# KiCad board EEZ DIB DCP405plus.kicad_pcb (continued)
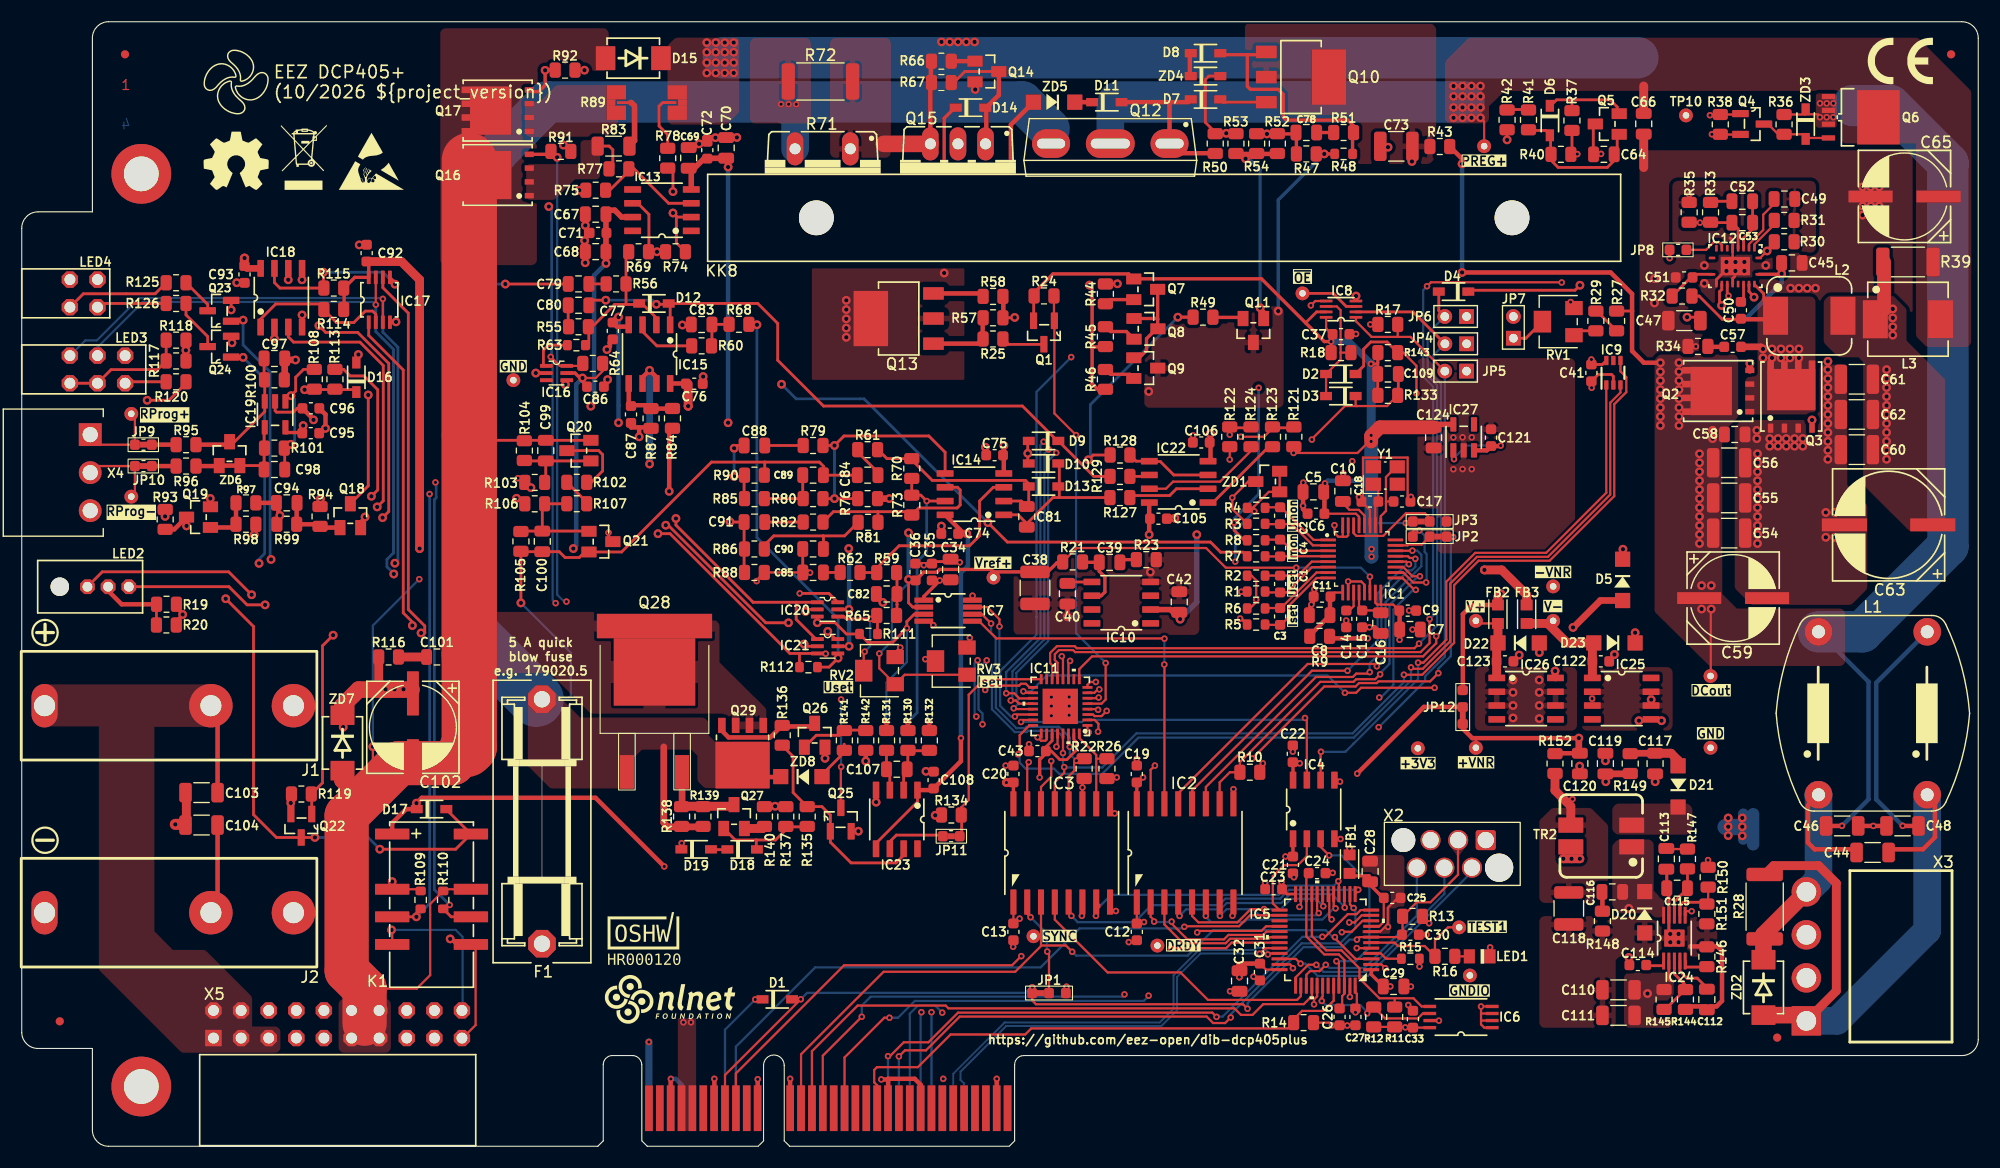
[diagram p0: board, top side]
## Routing (per net, layer and track width the routed paths; a pad name or vN(x,y) marks a point on that pad's centre or on a via; arc(x,y) is an arc through that point) (continued)
ISO_MISO1: length 87.7
  Top w0.203: R22.2 97.58,33.69 v2(97.58,33.02) IC3.11 ; IC9.3 147.08,69.37 146.14,68.43 146.14,59.98 140.41,54.25 133.88,54.25 131.42,51.79 131.42,46.47 128.89,43.95 127.93,43.95 v2(127.81,44.07) ; IC11.24 92.71,38.74 91.81,37.83 91.81,36.22 v2(91.67,36.08)
  Bottom w0.203: v2(97.58,33.02) 97.58,34.27 ; v2(127.81,44.07) 127.81,42.87 122.55,37.61 102.74,37.61 99.41,34.28 95.45,34.28 94.97,34.76 92.35,34.76 91.81,35.3 91.81,35.94 v2(91.67,36.08)
ISO_MOSI1: length 28
  Top w0.203: IC11.30 96.29,36.89 v2(96.42,36.77) ; v2(89.95,47.84) 89.95,48.5 88.82,49.63 IC7.7 ; R22.1 97.21,35.67 v2(97.03,35.49) 96.82,35.28 96.82,34.55 96.31,34.04 IC3.12
  Bottom w0.203: v2(89.95,47.84) 89.95,44.22 89.61,43.88 89.61,40.38 91.51,38.48 92.3,38.48 92.43,38.61 95.43,38.61 96.42,37.62 v2(96.42,36.77) 96.42,36.1 v2(97.03,35.49)
ISO_SCLK1: length 104.1
  Top w0.203: v2(89.18,48.11) 88.32,48.97 IC7.6 ; IC9.4 147.08,71.32 147.62,70.78 147.62,69.41 146.51,68.3 146.51,59.84 140.56,53.89 134.03,53.89 131.78,51.65 131.78,46.33 128.85,43.4 v2(127.16,43.4) ; v2(95.91,34.9) 95.91,34.38 95.04,33.51 IC3.13 ; IC11.29 95.79,36.19 v2(95.79,36.19)
  In2.Cu w0.203: 96,34.9 v2(95.91,34.9)
  Bottom w0.203: v2(127.16,43.4) 127.16,42.72 122.45,38.01 102.56,38.01 99.41,34.86 95.93,34.86 95.91,34.84 v2(95.91,34.9) 95.79,35.01 v2(95.79,36.19) 95.79,37.67 95.22,38.24 92.56,38.24 92.45,38.12 91.36,38.12 89.26,40.23 89.26,44.03 89.59,44.36 89.59,46.84 89.18,47.25 v2(89.18,48.11)
ISO_SYNC: length 82.6
  Top w0.203: 126.6,74.49 124.19,74.49 122.75,75.93 IC8.1 ; 126.6,74.49 126.59,74.5 R17.2 ; 126.6,74.49 127.77,74.49 JP5.2 ; IC3.14 93.77,33.07 94.71,34.01 v2(94.71,35.45)
  In2.Cu w0.203: v2(124.84,38.57) 123.29,37.02 116.5,37.02 115.87,36.39 97,36.39 96.16,35.56 94.82,35.56 v2(94.71,35.45)
  Bottom w0.203: JP5.2 130.92,45.06 129.11,43.25 129.11,42.84 v2(124.84,38.57)
LOOP_CTRL: length 28.6
  Top w0.254: R128.2 98.57,63.62 v1(98.13,63.18) ; 92.56,64.74 92.56,63.78 v1(92.56,63.77) 92.56,63.77 92.56,62.85 ; 107.72,76.31 107.71,76.86
  Top w0.305: 107.72,76.31 v1(106.36,76.31)
  In2.Cu w0.254: v1(92.56,63.77) 93.15,63.18 v1(98.13,63.18)
  Bottom w0.254: v1(98.13,63.18) 98.31,63.36 98.31,68.26 v1(106.36,76.31) ; 92.71,63.62 v1(92.56,63.77)
OE_ACTIVE: length 63.9
  Top w0.203: v2(91.37,39.56) 91.55,39.74 IC11.22 ; IC8.5 119.01,77.8 v2(118.6,77.39)
  In2.Cu w0.203: v2(96.55,72.63) 113.84,72.63 v2(118.6,77.39)
  Bottom w0.203: v2(96.55,72.63) 93.36,69.44 93.36,47.09 90.01,43.74 90.01,40.54 90.99,39.56 v2(91.37,39.56)
OE_TRIG: length 72.6
  Top w0.203: IC11.9 97.29,43.91 98.47,45.09 128.92,45.09 130.13,46.3 v2(130.13,46.94)
  Top w0.254: JP4.2 127.99,76.8 IC8.2
  Bottom w0.203: JP4.2 129.87,72.8 129.87,70.89 130.56,70.2 130.56,47.37 v2(130.13,46.94)
OVP_EN: length 21.2
  Top w0.203: 86.71,30.49 R134.2 86.44,31.19 87.12,31.87 87.12,41.55 88.55,42.99 IC11.16
  Top w0.254: 86.73,30.74 86.47,30.49 86.47,28.53
PE: length 232.9
  Top w0.406: C48.2 C46.1
  Top w0.813: 15.14,32.55 15.14,29.56
  Top w1.016: 15.08,29.63 v1(14.13,29.63)
  In2.Cu w0.61: v2(170.35,29.48) 169.08,28.21 165.78,28.21 147.17,9.6 v2(57.7,9.6) 51,9.6 47.7,6.3 17.15,6.3 13.32,10.13 13.32,51.48 X4.3 ; 13.37,29.63 v1(14.13,29.63)
  Bottom w0.66: X1.A1 v2(57.7,9.6)
POST_OUT+: length 310.8
  Top w0.2: v1(34.08,24.36) 34.08,24.36 K1.3 36.54,23.66 R109.1 ; R53.2 110.85,93.2 v1(110.82,93.23)
  Top w0.254: C84.1 73.76,61.77 ; 73.76,61.77 C89.2 ; 73.76,61.77 73.76,62.59 73.38,62.97 68.36,62.97 ; 109.61,93.55 109.93,93.23 v1(110.82,93.23) ; 68.36,62.97 63.46,62.97 55.19,54.7 51.8,54.7 51.29,54.19 49.98,54.19 49.45,54.72 C100.1 45.96,54.72 R105.2 v1(45.92,50.01) ; 68.36,62.97 68.36,62.97 68.36,61.77 68.36,61.77 ; 109.61,93.52 108.89,94.24 108.89,98.18 109.21,98.5 110.36,98.5 ; 136.65,93.52 v1(136.65,92.63) ; v1(44.49,79.36) 50.26,79.36 C79.1 ; v1(87.72,97.26) 87.7,97.28 Q14.E
  Top w0.406: 69.23,33.98 66.93,33.98 65.88,35.04
  Top w0.61: 62.68,29.4 59.45,29.4 59.07,29.78 59.07,36.76
  Top w0.813: R116.1 32.84,42.36 32.51,42.03
  Top w1.524: ZD7.C 29.51,40.55 30.99,42.03 35.86,42.03
  In2.Cu w0.2: 29.57,38.33 29.57,28.87 v1(34.08,24.36)
  In2.Cu w0.254: JP7.2 137.23,77.95 133.32,81.86 133.32,88.57 136.65,91.9 v1(136.65,92.63) 135.57,93.71 130.09,93.71 129.39,94.41 110.82,94.41 ; Q12.3 96.82,94.41 110.82,94.41 ; 110.82,94.41 110.82,93.55
  In2.Cu w1.524: 33.5,42.03 46.97,42.03 F1.1
  Bottom w0.203: F1.1 50.23,41.14 50.52,41.43 50.52,45.42 v1(45.92,50.01)
  Bottom w0.254: v1(44.49,79.36) 41.01,79.36 41.17,79.37 ; 87.91,96.12 87.72,96.31 v1(87.72,97.26)
  Bottom w2.54: R71.2 71.15,96.12
  Bottom w3.81: 70.77,96.12 v2(70.56,95.91) 70.34,96.12 48.31,96.12 41.17,88.81 ; 71.15,96.12 92.04,96.12 94.51,93.64
  Bottom w5.08: 41.17,47.47 41.17,88.81 ; 47.32,41.14 41.17,47.29
  vias: v1(29.57,38.58) v1(33.47,42.06) v1(34.3,42.06) v1(35.12,42.06) v2(69.86,95.91) v2(71.26,95.91)
POST_OUT-: length 232.3
  Top w0.2: C85.1 R88.2
  Top w0.203: v2(67.61,52.02) 67.61,52.11 R88.2 ; v2(113.4,58.44) 113.17,58.67 113.4,58.9 ; 34.71,35.26 32.7,35.26 32.31,35.66 v1(32.31,36.78) ; R4.2 113.26,58.76 113.4,58.9 ; 113.4,58.9 114.73,60.23 ZD1.1 ZD1.2 ; K1.10 38.93,23.66 R110.2 37.58,22.3 37.58,15.75 36.34,14.51 31.54,14.51
  Top w0.254: Q20.E C99.2 41.47,64.98 41.17,65.45 ; v2(72.53,52.79) 71.85,53.46 C90.2 ; 40.18,35.78 40.93,36.53
  Top w1.524: ZD7.A 29.51,33.69 31.33,31.88
  Top w4.064: 40.93,36.53 39.66,35.26 34.71,35.26 29.89,30.44 29.89,16.17 31.54,14.51 31.54,11.28
  Top w5.08: 40.93,36.53 41.17,36.77 41.17,90.74
  In2.Cu w0.203: v2(67.61,52.02) 67.43,52.2 v2(36.57,52.2)
  In2.Cu w0.254: v2(72.53,52.79) 73.92,51.39 86.52,51.39 88.94,53.81 v2(111.65,53.81)
  Bottom w0.203: v1(32.31,36.78) 32.31,47.93 v2(36.57,52.2)
  Bottom w0.254: v2(113.4,58.44) 111.65,56.69 v2(111.65,53.81)
PREG_OE: length 71.3
  Top w0.203: IC11.14 94.79,44.29 94.61,44.47 94.61,45.4 95.24,46.03 96.87,46.03 97.06,45.84 128.13,45.84 v2(128.55,46.26)
  Top w0.254: D4.A 130.37,76.92 JP6.2
  Bottom w0.203: v2(128.55,46.26) 130.21,47.92 130.21,70.05 129.35,70.91 129.35,74.8 JP6.2
PREG_OUT+: length 41.3
  Top w0.2: v1(134.2,94.66) 134.54,94.32 TP11.1
  Top w0.406: 101.37,92.26 101.16,92.47
  Top w0.813: C66.2 149.22,97.59
  Bottom w2.54: 100.91,96.12 100.15,95.36 100.15,92.51
  Bottom w3.81: 132.68,96.12 100.91,96.12
  vias: v1(131.73,97.58) v1(131.73,96.63) v1(131.73,95.61) v1(131.73,94.66) v1(132.55,97.58) v1(132.55,96.63) v1(132.55,95.61) v1(132.55,94.66) v1(133.38,97.58) v1(133.38,96.63) v1(133.38,95.61) v1(133.38,94.66) v1(134.2,97.58) v1(134.2,96.63) v1(134.2,95.61)
PREG_OUT-: length 219.6
  Top w0.2: v1(157.66,81.39) 157.4,81.64 NT2.2
  Top w0.254: IC12.12 155.91,79.76 156.7,80.56 v1(156.83,80.56) ; 157.4,81.64 v1(157.66,81.39) ; v2(111.54,57.4) 111.54,56.7 112.47,55.77 R8.2 ; 157.59,80.05 157.41,79.87 IC12.15
  Top w0.406: C48.1 173.05,29.48 v2(173.05,29.49)
  Top w0.813: C66.1 149.22,90.08
  In2.Cu w0.254: v1(65.5,98.79) 65.9,98.79 67.38,97.31 67.38,79.71 76.83,70.25 113.42,70.25 113.74,69.94 113.74,69.87 v2(113.8,69.81) ; v1(87.66,101.65) v1(86.9,101.65) v1(86.14,101.65) v1(85.38,101.65) v1(84.61,101.65)
  In2.Cu w1.676: Q15.2 86.13,101.19
  Bottom w0.254: 84.48,100.18 84.61,100.32 v1(84.61,101.65) ; v2(113.8,69.81) 113.8,60.03 111.54,57.77 v2(111.54,57.4)
  Bottom w0.406: L1.4 170.62,42.66 170.62,31.92 v2(173.05,29.49) ; v1(65.5,99.74) v1(65.5,100.69) 64.87,101.2
  Bottom w0.991: 158.39,29.39 158.39,30.59 ; 158.39,28.24 158.39,29.45
  Bottom w1.143: 159.29,27.8 159.29,30.56
  Bottom w3.81: 64.55,100.18 148.68,100.18
  vias: v1(63.02,101.58) v1(63.02,100.69) v1(63.02,99.74) v1(63.02,98.79) v1(63.85,101.58) v1(63.85,100.69) v1(63.85,99.74) v1(63.85,98.79) v1(64.68,101.58) v1(64.68,100.69) v1(64.68,99.74) v1(64.68,98.79) v1(65.5,101.58) v1(150.23,79.86) v1(150.21,77.62) v1(154.8,81.07) v1(154.8,79.42) v1(156.83,81.39) v1(157.66,80.56) v1(158.29,30.22) v1(158.29,29.41) v1(158.29,28.57) v1(158.48,81.39) v1(158.48,80.56) v1(159.63,65.89) v1(159.63,65.13) v1(159.69,63.73) v1(159.69,62.91) v1(159.69,62.08) v1(159.69,61.26) v1(159.69,60.43) v1(159.69,59.61) v1(159.69,58.78) v1(159.69,57.96) v1(159.69,57.13) v1(159.69,56.3) v1(159.69,55.48) v1(160.45,81.07) v1(160.81,65.13) v1(160.81,64.44) v1(161.57,65.13) v1(161.57,64.44) v1(162.34,65.13) v1(162.34,64.44) v1(162.74,78.97) v1(163.1,65.13) v1(163.1,64.44) v1(163.5,78.97) v1(163.86,65.13) v1(163.86,64.44) v1(164.26,78.97) v1(165.02,78.97) v1(165.98,58.34) v1(165.98,56.05) v1(166.17,72.24) v1(166.17,71.48) v1(166.17,70.66) v1(166.17,69.83) v1(166.17,69) v1(166.17,68.18) v1(166.17,67.35) v1(166.17,66.53) v1(166.17,65.7) v1(166.17,64.88) v1(166.17,64.05) v1(166.17,63.23) v1(166.8,58.34) v1(166.8,56.05) v1(169.36,88.31) v1(169.36,86.53) v1(169.36,85.7) v1(170.1,88.31) v1(170.12,86.53) v1(170.12,85.7) v1(170.88,88.31) v1(170.88,86.53) v1(170.88,85.7) v2(154.02,73.62)
PWRGOOD: length 125.7
  Top w0.203: v2(128.31,69.3) 128.31,71.83 127.1,73.05 R143.2 ; IC11.18 92.29,41.74 v2(92.15,41.87) ; v2(121.73,41.74) 122.76,41.74 123.22,42.2 v2(129.98,42.2) ; v2(153.63,21.63) 153.07,21.63 153.06,21.63 153.06,21.29 IC24.6
  Top w0.254: 153.04,21.63 IC24.6 153.05,21.25 ; R143.2 125.61,74.03 124.11,74.03 123.46,73.37 123.46,71.82 D2.C
  In2.Cu w0.203: 138.6,43.66 138.6,66.83 136.13,69.3 v2(128.31,69.3) ; 138.6,43.66 138.6,34.96 151.93,21.63 v2(153.63,21.63) ; 138.6,43.66 133.55,43.66 132.09,42.2 v2(129.98,42.2)
  Bottom w0.203: v2(121.73,41.74) 120.14,43.33 94.3,43.33 92.84,41.87 v2(92.15,41.87)
RSENSE: length 93.7
  Top w0.203: v2(99.08,41.3) 99.02,41.24 IC11.6
  Top w0.254: v1(28.65,47.04) 27.67,46.06 27.67,33.45 R119.2 26.68,32.38 Q22.1
  In2.Cu w0.203: v2(99.08,41.3) 99.04,41.3 98.61,41.73 98.4,41.73 97.43,42.69 90.71,42.69 89.37,41.36 76.48,41.36 76,41.84 72.38,41.84 65.53,48.69 30.3,48.69 v1(28.65,47.04)
RSENSE_ERR: length 87.7
  Top w0.203: IC11.17 92.71,42.24 92.38,42.57 91.93,42.57 91.76,42.4 89.04,42.4 v2(88.64,42)
  Top w0.254: Q19.C v1(15.16,57.1)
  Top w0.406: R93.1 14.03,56.78 Q19.C
  In2.Cu w0.203: v1(15.16,57.1) 16.65,57.1 24.7,49.05 65.68,49.05 72.32,42.4 88.24,42.4 v2(88.64,42)
SENSE+: length 80
  Top w0.254: K1.4 v1(36.31,21.12) 36.31,21.46 R109.2 ; v1(65.54,64.24) 65.79,64.5 C88.1 66.46,64.69 66.45,64.69 ; v1(45.52,59.64) 45.77,59.64 R106.1 ; 66.46,61.77 66.46,61.77 66.52,61.83 ; 66.46,61.77 66.46,59.61 ; 66.46,61.77 66.33,61.64 v1(65.54,61.64)
  In2.Cu w0.254: v1(65.54,61.64) 46.71,61.64 45.52,60.45 v1(45.52,59.64) 45.13,60.03 v2(37.52,60.03)
  Bottom w0.254: v2(37.52,60.03) 37.52,22.33 v1(36.31,21.12) ; v1(65.54,61.64) v1(65.54,64.24)
SENSE-: length 77.8
  Top w0.203: v2(39.37,22.21) 39.14,22.21 R110.1
  Top w0.254: v1(65.16,57.47) 65.18,57.45 C91.1 66.46,54.97 66.46,52.81 ; v1(46.85,60.62) 46.73,60.62 46.24,61.1 ; R110.1 39.51,21.12 K1.9 41.39,21.18
  In2.Cu w0.254: v2(38.06,61.1) 38.45,61.49 v2(45.65,61.49) ; v1(46.85,60.62) 47.38,61.14 61.49,61.14 v1(65.16,57.47)
  Bottom w0.203: v2(38.06,61.1) 38.13,61.03
  Bottom w0.254: 38.13,61.03 38.13,59.68 37.96,59.51 37.96,23.62 v2(39.37,22.21)
SENSE_PROT: length 100.7
  Top w0.254: Q18.C 31.88,60.78 v1(31.88,69.15) ; 103.79,69.58 v1(103.68,69.47)
  Top w0.305: R48.2 v1(119.83,91.33) R47.2
  In2.Cu w0.254: v1(31.88,69.15) 32.04,69.31 103.52,69.31 v1(103.68,69.47)
  Bottom w0.305: v1(115.6,76.87) 115.6,87.1 v1(119.83,91.33)
U_MON: length 60.5
  Top w0.203: R3.2 111.37,58.66 v2(111.37,59.69) 111.37,59.72 112.83,61.18 ZD1.3
  Top w0.254: R70.1 R73.1 82.72,59.93 v2(83.26,59.38) IC14.7 ; R130.1 81.53,38.92
  In2.Cu w0.254: v2(111.37,59.69) 111.33,59.65 83.52,59.65 v2(83.26,59.38)
  Bottom w0.254: v2(81.52,39.05) 82.37,39.9 82.37,53.8 83.26,54.68 v2(83.26,59.38)
U_SERVO: length 14.2
  Top w0.254: 95.43,59.7 R127.1 ; 95.43,59.7 95.46,59.73 95.46,62.85 ; 95.43,59.7 94.86,59.7 92.47,57.31 91.67,58.11 IC14.1
U_SET: length 124.5
  Top w0.203: v2(112.2,51.04) 112.22,51.06 R1.2 ; R131.1 v2(79.56,39.05)
  Top w0.254: v1(32.7,58.85) 33.26,59.4 33.26,71.87 31.11,74.01 25,74.01 24.52,74.5 IC18.3 ; 79.56,38.3 79.45,38.3 ; 83.04,48.92 IC7.3 82.1,48.97 81.43,48.29 v2(81.43,47.68) 80.12,46.38 77.85,46.38 R111.2 75.87,47.15 74.83,48.19 v1(73.19,48.19) IC20.3 ; v1(59.25,57.16) 59.47,57.16 68.45,48.18 v1(70.54,48.18)
  In2.Cu w0.254: 73.18,48.18 v1(70.54,48.18) ; v1(32.7,58.85) 33.33,58.85 33.81,58.36 55.36,58.36 56.55,57.17 59.24,57.17 v1(59.25,57.16) ; v2(81.43,47.68) 82.66,48.92 87.6,48.92 89.69,51.01 112.17,51.01 v2(112.2,51.04)
  Bottom w0.203: v2(79.56,39.05) 79.55,39.06 79.55,42.69 81.43,44.56 v2(81.43,47.68)
  Bottom w0.254: v1(73.19,48.19) 73.18,48.18
U_SET_OUT: length 11.6
  Top w0.203: v2(77.55,45.53) 77.46,45.44 RV2.2
  Top w0.254: R111.1 78.72,48.79 R65.1 78.34,48.53 75.86,48.53 75.64,48.75 IC20.4 ; 78.93,48.86 78.61,48.53 v2(78.05,48.53)
  Bottom w0.203: v2(77.55,45.53) 78.05,46.03 v2(78.05,48.53)
V+: length 296.8
  Top w0.203: v2(131.77,63.24) 131.71,63.3 IC27.1
  Top w0.254: IC23.5 78.6,27.89 82.41,31.7 IC23.1
  Top w0.305: IC19.5 24.26,65.74 24.31,65.69 25.89,65.69
  Top w0.406: v1(103.72,56.29) 103.72,59.23 IC22.8 ; IC15.8 61.27,70.2 61.32,70.15 ; IC14.8 86.68,56.38 v1(86.94,56.38) ; 132.58,41.99 132.58,48.97 133.43,49.82 FB2.2 ; v2(136.06,64.49) 136.02,64.44 C121.2 134.78,64.05 IC27.3 ; IC23.1 83.75,32.78 86.41,35.44 v2(86.41,37.57) ; 25.89,65.69 v1(25.89,66.33)
  Top w0.508: 53.96,86.15 54.56,86.15 55.19,85.52 IC13.7 ; 103.62,49.39 105.69,49.39 v1(106.57,48.51) ; 54.03,86.15 53.75,86.15 53.75,84.31 53.75,84.31 C68.2 53.75,82.34 v1(53.75,81.26)
  Top w0.61: C93.1 20.72,80.8 IC18.8
  Top w0.813: 20.47,81.07 20.47,81.72 v1(20.5,81.75) ; FB2.2 135.81,50.6 v1(136.06,50.85) ; v1(61.31,68.12) 61.31,68.12 61.31,70.16
  In2.Cu w0.406: v1(25.89,66.33) 25.89,68.12
  In2.Cu w0.813: 127.74,56.29 132.24,51.79 135.55,51.79 ; v1(52.35,68.12) 23.88,68.12 21.79,70.2 21.79,80.46 v1(20.5,81.75) ; 127.66,56.29 108.02,56.29 ; v1(108.1,56.29) v1(103.72,56.29) 87.03,56.29 v1(86.94,56.38)
  In2.Cu w1.27: v1(136.06,50.85) 136.06,66.6 134.54,68.12 v1(61.31,68.12) v1(52.35,68.12)
  Bottom w0.203: v2(131.77,63.24) 131.77,63.35 132.91,64.49 v2(136.06,64.49)
  Bottom w0.406: v1(52.35,68.12) 52.65,68.42 52.65,80.16 v1(53.75,81.26) ; v2(86.41,37.57) 86.41,52.78 87.05,53.43 87.05,56.27 v1(86.94,56.38)
  Bottom w0.508: v1(106.57,48.51) 106.57,48.55 108.1,50.08 v1(108.1,56.29)
V-: length 183.3
  Top w0.2: C96.1 25.95,67.92
  Top w0.254: v1(64.99,90.12) 64.83,90.28 64.83,90.93 ; IC19.2 23.31,67.7 23.44,67.57 24.99,67.57 25.34,67.92 C96.1
  Top w0.406: v1(109.35,65.59) 109.37,65.57 109.37,63.28 IC22.4 ; v1(90.35,64.48) 90.35,64.48 90.35,63.61 90.35,63.6 IC14.4 ; IC15.4 55.84,75.46 55.87,75.43 54.76,75.43 C77.2 54.38,75.94 54.76,76.32 v1(54.91,76.32) ; 26.84,66.9 C96.1
  Top w0.508: 61.6,88.06 61.6,89.78 C69.2 61.89,90.02 62.79,90.92 63.08,90.92 ; 64.83,90.93 63.1,90.93 C72.1
  Top w0.61: v1(26.84,66.86) 26.84,66.9
  Top w0.813: v1(134.56,53.04) 136.16,53.04 138.45,50.75 FB3.2
  In2.Cu w0.406: 90.17,66.59 90.37,66.4 v1(90.35,64.48) ; v1(109.35,65.59) 109.35,66.26 109.02,66.59
  In2.Cu w0.61: 27.04,67.07 26.84,66.87 v1(26.84,66.86)
  In2.Cu w0.813: 27.04,67.07 51.63,67.07 52.11,66.59
  In2.Cu w1.27: v1(134.56,53.04) 134.56,65.81 133.78,66.59 v1(64.99,66.59) v1(54.9,66.59) 52.11,66.59
  Bottom w0.406: v1(64.99,66.59) v1(64.99,90.12) ; v1(54.9,66.59) 54.91,66.6 v1(54.91,76.32)
~{DP_DRIVE}: length 6.7
  Top w0.406: Q13.B 87.97,73.87 88.41,74.31 88.41,76.25
~{ISO_DAC_CS}: length 33.5
  Top w0.203: v2(105.11,44.34) 105.13,44.33 IC2.14 ; IC7.5 88.07,48.33 89.66,46.74 105.11,46.74 v2(105.13,46.72)
  Bottom w0.203: v2(105.11,44.34) 105.11,46.71 v2(105.13,46.72)
~{ISO_IOEXP_CS}: length 33.3
  Top w0.203: v2(118.06,39.42) 118.23,39.25 IC4.7 ; IC11.23 92.12,39.24 v2(91.93,39.05)
  Bottom w0.203: v2(91.93,39.05) 97.53,39.05 97.73,39.25 117.89,39.25 v2(118.06,39.42)
~{ISO_IOEXP_IRQ}: length 8.3
  Top w0.203: 98.85,35.7 IC3.10 ; 98.85,35.7 98.88,35.67 100.05,35.67 ; 98.85,35.7 98.85,36.02 97.29,37.58 IC11.32
~{ISO_RESET}: length 54.2
  Top w0.203: IC11.28 95.29,36.88 v2(95.19,36.78) ; v2(92.64,35.35) 92.5,35.21 IC3.15 ; v2(128.25,51.21) 128.12,51.21 127.02,52.31 IC1.17
  In2.Cu w0.203: v2(124.89,41.3) 124.82,41.23 124.09,41.23 120.24,37.38 116.36,37.38 115.73,36.75 97.4,36.75 96.77,37.38 95.79,37.38 v2(95.19,36.78) 94.05,36.78 92.64,35.37 v2(92.64,35.35)
  Bottom w0.203: v2(128.25,51.21) 128,51.21 126.19,49.4 126.19,42.45 125.04,41.3 v2(124.89,41.3)
~{ISO_TEMP_CS}: length 52.7
  Top w0.203: v2(128.46,44.51) 128.95,44.51 131.06,46.62 131.06,51.96 133.72,54.62 140.25,54.62 145.78,60.15 IC9.1 ; IC4.6 119.5,36.28 v2(119.53,36.31)
  Bottom w0.203: v2(128.46,44.51) 128.46,42.99 121.78,36.31 v2(119.53,36.31)
~{OVP_FAULT}: length 90.3
  Top w0.203: R133.2 125.61,68.13 122.88,68.13 ; Q25.3 75.36,34.9 v2(75.38,34.92) ; 122.88,68.13 122.72,68.13 D3.C 122.72,68.82 ; 122.88,68.13 121.73,68.13 118.69,65.09 v2(118.69,65.04) ; v2(91.26,40.31) 91.33,40.24 IC11.21
  Top w0.254: C109.2 126.65,69.17 R133.2
  In2.Cu w0.203: 95.18,63.99 v2(95.18,63.82) ; v2(75.38,41.12) 75.5,41 89.78,41 90.47,40.31 v2(91.26,40.31) ; v2(118.69,65.04) 112.84,65.04 111.81,64.01 95.19,64.01
  Bottom w0.203: v2(95.18,63.82) 94.43,63.08 94.43,48.67 94.44,48.67 94.44,46.5 91.5,43.57 91.5,41.5 91.65,41.35 91.65,40.7 v2(91.26,40.31) ; v2(75.38,34.92) 75.38,34.93 v2(75.38,41.12)
~{POST_OE}: length 23.9
  Top w0.203: 99.72,79.38 99.7,79.4
  Top w0.254: IC8.3 121.85,77.3 120.65,78.5 TP5.1 ; 99.72,79.38 v1(100.8,79.38)
  In2.Cu w0.254: 100.82,79.4 v1(100.8,79.38) 114.75,79.38 115.63,78.5 TP5.1
Net-(C24-Pad2): length 15.6
  Top w0.203: 118.44,25.4 118.18,25.14 IC5.22 118.18,19.31 119.83,17.66 121.17,17.66 121.69,17.14 IC5.46 121.69,14.04 121.48,13.83 121.48,12.93 C26.2 ; 121.38,12.82 120.98,12.82
Net-(C39-Pad2): length 1.5
  Top w0.305: 101.22,53.74 101.47,53.99 102.63,53.99
Net-(C52-Pad1): length 2
  Top w0.254: C52.1 155.37,86.98 155.37,86.91
Net-(C57-Pad2): length 1.6
  Top w0.406: 154.87,73.62 154.91,73.58 156.45,73.58
Net-(C60-Pad1): length 38.9
  Top w0.254: 142.62,93.64 142.62,91.32 v2(143.11,91.32) 143.07,91.36 142.62,91.36 ; R37.1 142.62,93.82
  Top w1.27: 171.33,81.39 171.33,77.17 171.44,77.07
  In2.Cu w0.254: v2(143.11,91.32) 143.11,89.22 148.1,84.22 161.84,84.22 167.47,78.59
  vias: v1(171.56,71.48) v1(171.56,70.66) v1(171.56,69.83) v1(171.56,69) v1(171.56,68.18) v1(171.56,67.35) v1(171.56,66.53) v1(171.56,65.7) v1(171.56,64.88) v1(171.56,64.05) v1(171.56,63.23) v1(172.13,77.07) v1(172.13,76.24) v1(172.13,75.42) v1(172.13,74.66)
Net-(C64-Pad2): length 13.4
  Top w0.254: 138.62,93.52 138.65,93.49 140.2,93.49 140.66,93.04 140.66,90.78 141.35,90.09 145.87,90.09 146.51,90.72 146.51,91.29 C64.2 146.78,91.57 146.78,93.14
Net-(C73-Pad1): length 46.4
  Top w0.305: 98.48,73.49 98.48,70.18 99.05,69.61 99.68,69.61 99.7,69.63 ; 98.48,73.49 98.48,79.01 v1(98.23,79.26) ; 98.48,73.49 98.56,73.57 99.7,73.57
  Top w0.406: 99.75,69.55 99.7,69.63
  In2.Cu w0.305: v1(98.23,79.26) 106.91,87.94 125.2,87.94 v1(127.9,90.64)
Net-(C78-Pad1): length 1.6
  Top w0.305: R51.1 C78.1
Net-(C79-Pad2): length 1.6
  Top w0.254: C79.2 R56.1
Net-(C80-Pad1): length 2.5
  Top w0.254: 50.27,77.97 C80.1 50.27,77.39 50.27,75.43
Net-(C82-Pad1): length 4
  Top w0.254: R65.2 80.53,48.89 80.53,49.87 80.52,49.87 C82.1 80.52,52.76 R59.1
Net-(C83-Pad1): length 3.5
  Top w0.254: R68.2 63.51,75.65 C83.1 63.5,73.67
Net-(C84-Pad2): length 3.1
  Top w0.254: C84.2 78.77,62.02 76.87,63.92 76.87,64.12
Net-(C85-Pad2): length 1.5
  Top w0.254: C85.2 R62.1
Net-(C88-Pad2): length 3.5
  Top w0.254: C88.2 71.85,64.5
Net-(C89-Pad1): length 5.7
  Top w0.254: 68.36,59.61 71.85,59.61 71.85,61.76 ; C89.1 71.85,61.76 ; 71.85,61.76 71.85,61.77
Net-(C90-Pad1): length 11.6
  Top w0.254: 73.73,56.18 69.18,56.18 68.32,55.31 R86.1 ; 73.73,56.18 73.75,56.16 C90.1 ; 73.73,56.18 75.7,56.18 R81.2 ; C90.1 73.75,55.48 ; C90.1 73.77,54.96
Net-(C91-Pad2): length 3.5
  Top w0.254: 71.85,57.45 C91.2
Net-(C94-Pad1): length 5.9
  Top w0.406: R94.2 27.25,57.25 25.47,57.25 ; C94.1 25.29,59.18 R99.2 ; 27.44,57.02 27.52,56.94 Q18.B
Net-(C94-Pad2): length 35.9
  Top w0.254: v2(53.98,56.47) 53.98,55.67 54,55.65
  Top w0.406: R97.2 23.61,59.22 23.61,58.2 v1(23.75,58.06) 23.65,57.96 23.65,57.25
  In2.Cu w0.254: v2(53.98,56.47) 25.33,56.47 23.75,58.06 v1(23.75,58.06)
  Bottom w0.254: v2(53.98,56.47) 53.92,56.47
Net-(C99-Pad1): length 8.8
  Top w0.254: 47.89,60.91 47.89,60.91 48.14,61.1 ; 47.89,60.91 47.83,60.85 ; 47.89,60.91 48.21,61.23 C99.1 ; C99.1 Q20.B ; C99.1 46.24,63.08
Net-(C100-Pad2): length 10.6
  Top w0.254: 48.15,59.14 48.14,59.13 47.89,58.81 47.89,56.62 ; R106.2 50.14,59.13 R107.2 ; 47.89,56.66 47.89,56.62 ; 47.89,56.62 45.92,56.62 ; 47.89,56.62 51.78,56.62 51.8,56.6
Net-(C101-Pad2): length 2.1
  Top w0.813: C101.2 35.17,45.03
Net-(C113-Pad2): length 1.9
  Top w0.203: R147.1 151.35,27.35
Net-(C116-Pad2): length 1.8
  Top w0.406: R148.1 145.42,23.41 145.42,23.41
Net-(C117-Pad1): length 5.2
  Top w0.61: R149.1 148.02,36.17 C117.1
  Top w0.813: D21.A 152.38,35.52 151.73,36.17 C117.1
Net-(C118-Pad1): length 21.3
  Top w0.203: v2(142.67,31.95) 141.86,31.95 141.72,32.08 ; R150.1 155.15,26.33 v2(155.14,26.34)